# KiCad board Floppy Board v3.1.kicad_pcb (continued)
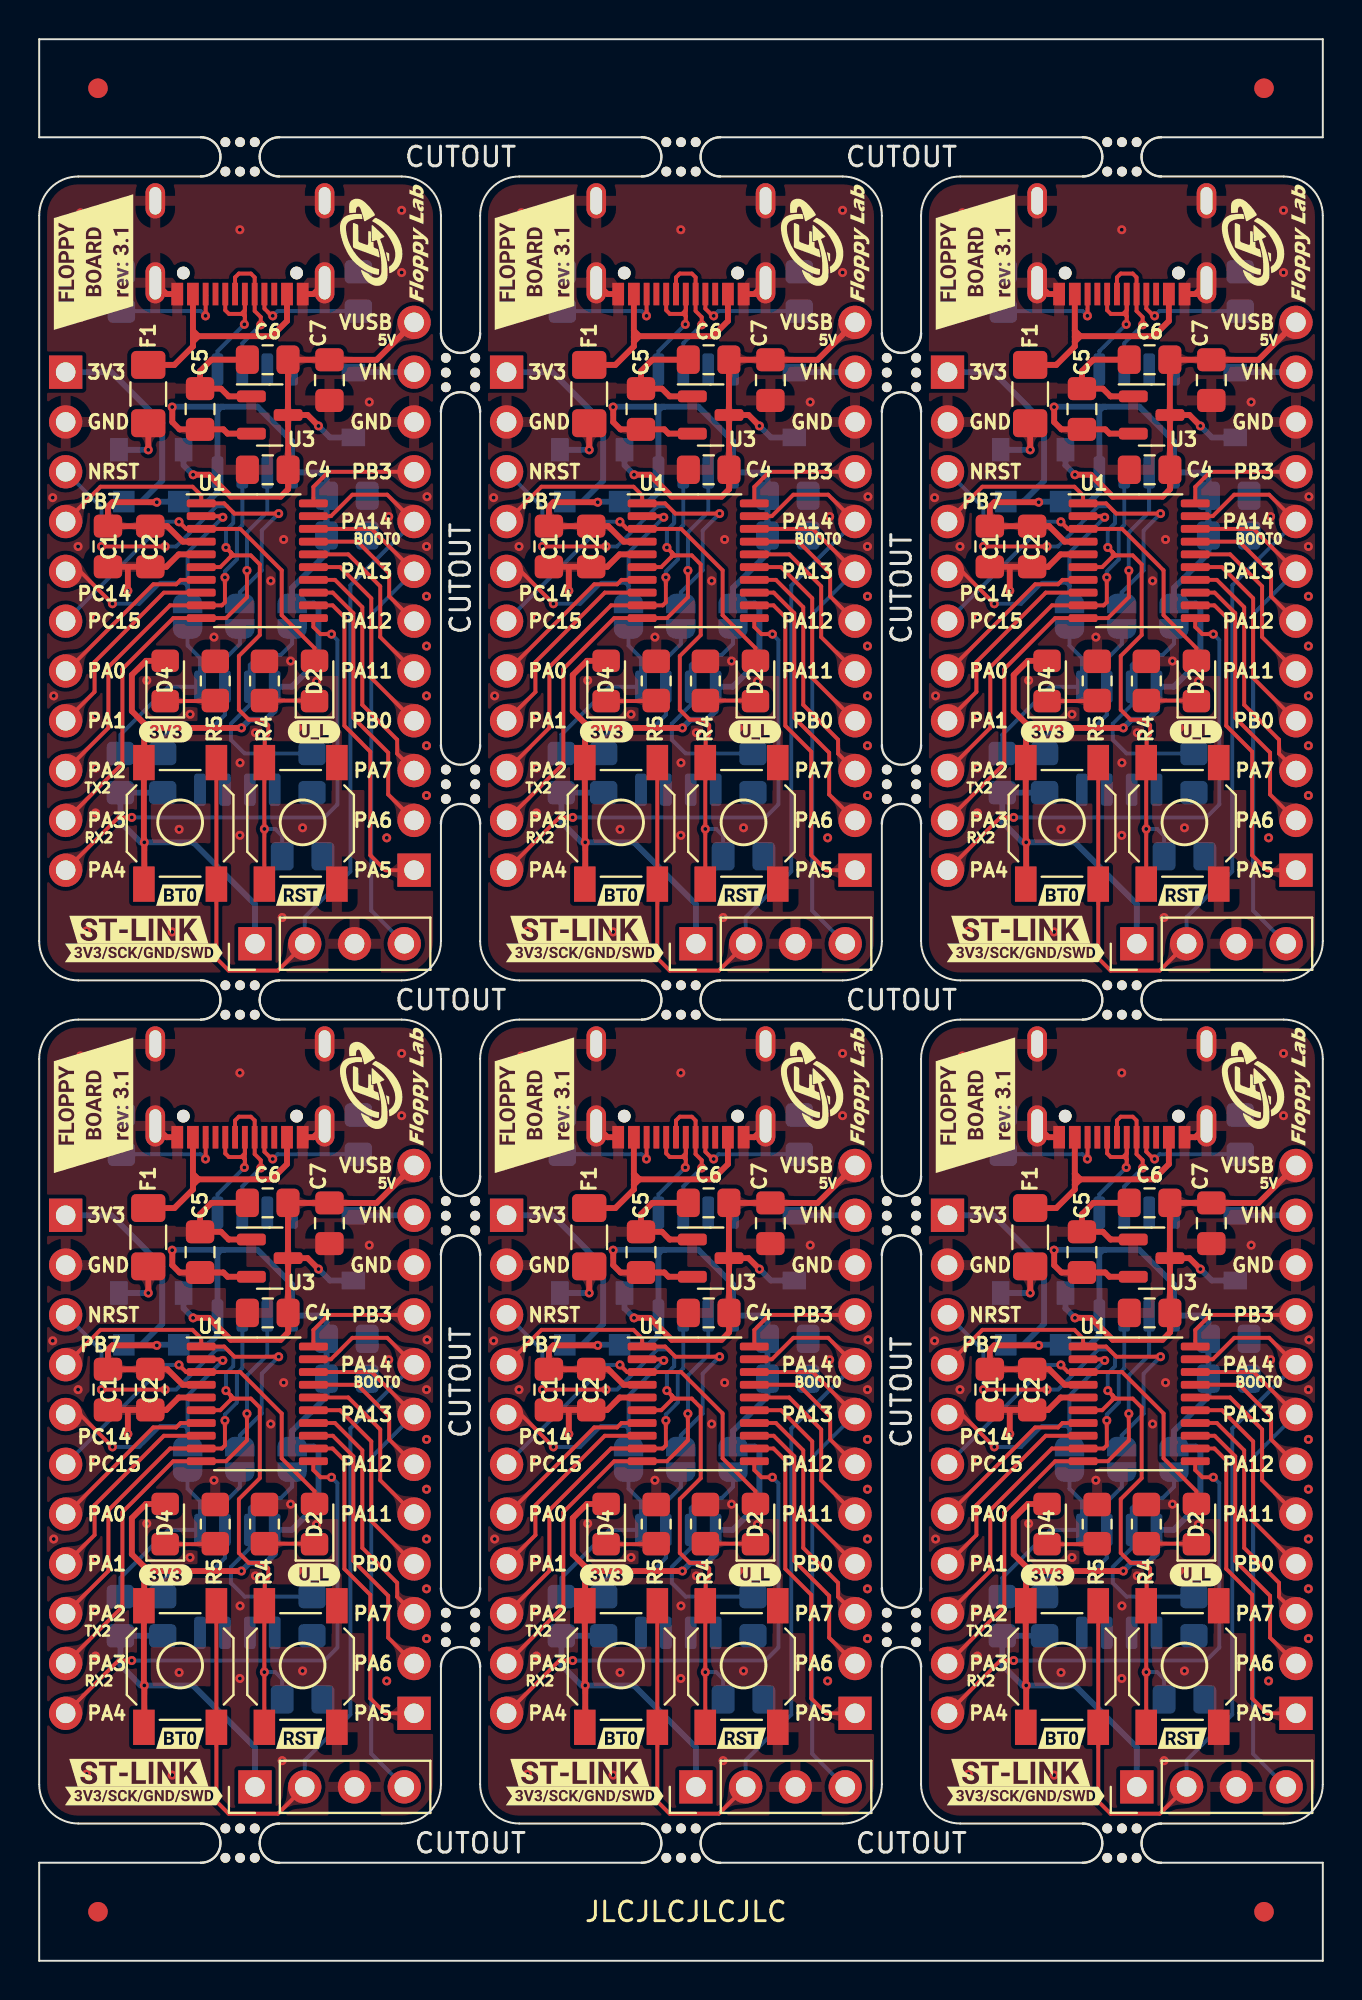
[diagram p0: board, top side]
## Routing (per net, layer and track width the routed paths; a pad name or vN(x,y) marks a point on that pad's centre or on a via; arc(x,y) is an arc through that point) (continued)
/VUSB: length 75.9
  Top w0.3: 52.85,82.82 52.88,82.85 53.13,82.85 ; 52.85,82.82 52.85,82.58 ; 52.85,82.82 52.85,83.14 ; 53.13,39.85 56.87,39.85 57.64,40.63 J2#6.2 ; 53.13,39.85 52.88,39.85 52.85,39.82 ; 53.13,39.85 52.85,40.14 ; 53.13,39.85 53.12,39.85 52.85,39.58 ; F1#2.1 29.4,38.39 30.35,39.33 30.35,39.58 ; 30.63,82.85 30.62,82.85 30.35,82.58 ; 30.63,82.85 30.35,83.14 ; 30.63,82.85 30.38,82.85 30.35,82.82 ; 30.63,82.85 34.37,82.85 35.14,83.63 J2#2.2 ; 52.85,82.58 53.12,82.85 53.13,82.85 ; 52.85,82.58 52.85,82.33 51.9,81.39 F1#3.1 ; 8.13,82.85 7.84,83.14 ; 8.13,82.85 11.87,82.85 12.64,83.63 12.64,85 ; 8.13,82.85 7.88,82.85 7.84,82.82 ; 8.13,82.85 8.12,82.85 7.84,82.58 ; 7.84,83.14 7.84,82.82 ; 7.84,83.14 J2#5.11 ; 30.35,39.82 30.38,39.85 30.63,39.85 ; 30.35,39.82 30.35,39.58 ; 30.35,39.82 30.35,40.14 ; 8.13,39.85 7.88,39.85 7.84,39.82 ; 8.13,39.85 8.12,39.85 7.84,39.58 ; 8.13,39.85 11.87,39.85 12.64,40.63 12.64,42 ; 8.13,39.85 7.84,40.14 ; 53.13,82.85 56.87,82.85 57.64,83.63 J2.2 ; 53.13,82.85 52.85,83.14 ; 7.84,40.14 J2#4.11 ; 7.84,40.14 7.84,39.82 ; F1.1 51.9,38.39 52.85,39.33 52.85,39.58 ; 30.63,39.85 30.62,39.85 30.35,39.58 ; 30.63,39.85 30.35,40.14 ; 30.63,39.85 34.37,39.85 35.14,40.63 J2#3.2 ; 7.84,39.82 7.84,39.58 ; 7.84,82.82 7.84,82.58 ; 7.84,39.58 7.84,39.33 6.9,38.39 F1#4.1 ; 30.35,82.82 30.35,82.58 ; 30.35,82.82 30.35,83.14 ; F1#6.1 29.4,81.39 30.35,82.33 30.35,82.58 ; F1#5.1 6.9,81.39 7.84,82.33 7.84,82.58 ; 30.35,40.14 J2#3.11 ; 52.85,83.14 J2.11 ; 30.35,83.14 J2#2.11 ; 52.85,39.58 52.85,39.82 ; 52.85,40.14 J2#6.11 ; 52.85,40.14 52.85,39.82
/WP: length 72
  Bottom w0.2: JP3#3.1 35.41,67.18 34.82,66.59 33.76,66.59 33.25,66.08 U2#5.7 33.25,64.05 32.28,63.09 32.28,62.27 32.98,61.57 R1#3.1 ; R1#6.1 55.48,18.57 54.78,19.27 54.78,20.09 55.75,21.05 U2#3.7 55.75,23.08 56.26,23.59 57.32,23.59 57.91,24.18 JP3.1 ; R1#5.1 55.48,61.57 54.78,62.27 54.78,63.09 55.75,64.05 U2#2.7 55.75,66.08 56.26,66.59 57.32,66.59 57.91,67.18 JP3#4.1 ; R1.1 10.48,61.57 9.78,62.27 9.78,63.09 10.75,64.05 U2.7 10.75,66.08 11.26,66.59 12.32,66.59 12.91,67.18 JP3#6.1 ; R1#4.1 32.98,18.57 32.28,19.27 32.28,20.09 33.25,21.05 U2#6.7 33.25,23.08 33.76,23.59 34.82,23.59 35.41,24.18 JP3#5.1 ; R1#2.1 10.48,18.57 9.78,19.27 9.78,20.09 10.75,21.05 U2#4.7 10.75,23.08 11.26,23.59 12.32,23.59 12.91,24.18 JP3#2.1
NRST: length 230.5
  Top w0.2: 32.26,28.85 32.44,28.67 ; 32.26,28.85 v1(32.03,29.08) ; 32.26,28.85 32.28,28.83 32.28,28.62 ; 32.44,28.67 32.33,28.67 32.28,28.62 ; 32.44,28.67 33.3,28.67 33.76,28.22 33.76,24.61 32.69,23.54 32.69,20.8 33.2,20.29 33.91,20.29 34.19,20.01 34.19,19.53 34.01,19.36 34.01,18.13 SW1#6.2 33.99,14.72 v1(33.99,14.72) 33.99,14.72 SW1#6.2 ; 54.94,71.67 54.83,71.67 54.78,71.62 ; 54.94,71.67 54.76,71.85 ; 54.94,71.67 55.8,71.67 56.26,71.22 56.26,67.61 55.19,66.54 55.19,63.8 55.7,63.29 56.41,63.29 56.69,63.01 56.69,62.53 56.51,62.36 56.51,61.13 SW1#2.2 56.49,57.72 v1(56.49,57.72) 56.49,57.72 SW1#2.2 ; 32.26,71.85 32.28,71.83 32.28,71.62 ; 32.26,71.85 32.44,71.67 ; 32.26,71.85 v1(32.03,72.08) ; 9.78,71.62 9.78,71.83 9.76,71.85 ; 9.78,71.62 9.83,71.67 9.94,71.67 ; 9.78,71.62 9.24,71.08 U1#6.6 ; 54.94,28.67 54.83,28.67 54.78,28.62 ; 54.94,28.67 55.8,28.67 56.26,28.22 56.26,24.61 55.19,23.54 55.19,20.8 55.7,20.29 56.41,20.29 56.69,20.01 56.69,19.53 56.51,19.36 56.51,18.13 SW1.2 56.49,14.72 v1(56.49,14.72) 56.49,14.72 SW1.2 ; 54.94,28.67 54.76,28.85 ; 9.78,28.62 9.24,28.08 U1#5.6 ; 9.78,28.62 9.83,28.67 9.94,28.67 ; 9.78,28.62 9.78,28.83 9.76,28.85 ; v1(28.93,72.13) v1(25.68,72.13) ; 54.76,28.85 v1(54.53,29.08) ; 54.76,28.85 54.78,28.83 54.78,28.62 ; v1(54.53,72.08) 54.76,71.85 ; 54.76,71.85 54.78,71.83 54.78,71.62 ; U1#3.6 31.74,71.08 32.28,71.62 ; 32.44,71.67 32.33,71.67 32.28,71.62 ; 32.44,71.67 33.3,71.67 33.76,71.22 33.76,67.61 32.69,66.54 32.69,63.8 33.2,63.29 33.91,63.29 34.19,63.01 34.19,62.53 34.01,62.36 34.01,61.13 SW1#4.2 33.99,57.72 v1(33.99,57.72) 33.99,57.72 SW1#4.2 ; v1(51.43,29.13) v1(48.18,29.13) ; 9.94,28.67 10.8,28.67 11.26,28.22 11.26,24.61 10.19,23.54 10.19,20.8 10.7,20.29 11.41,20.29 11.69,20.01 11.69,19.53 11.51,19.36 11.51,18.13 SW1#5.2 11.49,14.72 v1(11.49,14.72) 11.49,14.72 SW1#5.2 ; 9.94,28.67 9.76,28.85 ; 9.94,71.67 10.8,71.67 11.26,71.22 11.26,67.61 10.19,66.54 10.19,63.8 10.7,63.29 11.41,63.29 11.69,63.01 11.69,62.53 11.51,62.36 11.51,61.13 SW1#3.2 11.49,57.72 v1(11.49,57.72) 11.49,57.72 SW1#3.2 ; 9.94,71.67 9.76,71.85 ; v1(51.43,72.13) v1(48.18,72.13) ; 54.78,71.62 54.24,71.08 U1#4.6 ; U1.6 54.24,28.08 54.78,28.62 ; U1#2.6 31.74,28.08 32.28,28.62 ; 9.76,71.85 v1(9.53,72.08) ; 9.76,28.85 v1(9.53,29.08) ; v1(6.43,72.13) v1(3.18,72.13) ; v1(6.43,29.13) v1(3.18,29.13) ; v1(28.93,29.13) v1(25.68,29.13)
  Bottom w0.2: J3#4.3 3.18,74.11 v1(3.18,72.13) ; v1(33.99,57.72) 34.55,57.72 34.9,57.37 C3#3.1 ; v1(51.43,72.13) 51.99,72.13 54.04,74.18 54.59,74.18 54.9,73.87 54.9,73.32 54.53,72.95 v1(54.53,72.08) ; J3#5.3 48.18,74.11 v1(48.18,72.13) ; v1(51.43,29.13) 51.99,29.13 54.04,31.18 54.59,31.18 54.9,30.87 54.9,30.32 54.53,29.95 v1(54.53,29.08) ; v1(33.99,14.72) 34.55,14.72 34.9,14.37 C3#2.1 ; v1(9.53,72.08) 9.53,72.95 9.9,73.32 9.9,73.87 9.59,74.18 9.04,74.18 6.99,72.13 v1(6.43,72.13) ; J3#6.3 25.68,31.11 v1(25.68,29.13) ; v1(9.53,29.08) 9.53,29.95 9.9,30.32 9.9,30.87 9.59,31.18 9.04,31.18 6.99,29.13 v1(6.43,29.13) ; v1(11.49,57.72) 12.05,57.72 12.4,57.37 C3.1 ; v1(3.18,29.13) 3.18,31.11 J3#2.3 ; v1(28.93,72.13) 29.49,72.13 31.54,74.18 32.09,74.18 32.4,73.87 32.4,73.32 32.03,72.95 v1(32.03,72.08) ; C3#4.1 57.4,57.37 57.05,57.72 v1(56.49,57.72) ; v1(32.03,29.08) 32.03,29.95 32.4,30.32 32.4,30.87 32.09,31.18 31.54,31.18 29.49,29.13 v1(28.93,29.13) ; C3#6.1 12.4,14.37 12.05,14.72 v1(11.49,14.72) ; v1(48.18,29.13) 48.18,31.11 J3.3 ; v1(25.68,72.13) 25.68,74.11 J3#3.3 ; v1(56.49,14.72) 57.05,14.72 57.4,14.37 C3#5.1
PA0: length 53
  Top w0.2: J3#4.7 1.4,65.78 5.82,70.2 6.99,70.2 7.22,70.43 U1#6.7 ; J3#2.7 1.4,22.78 5.82,27.2 6.99,27.2 7.22,27.43 U1#5.7 ; U1#2.7 29.72,27.43 29.49,27.2 28.32,27.2 23.9,22.78 J3#6.7 ; J3#3.7 23.9,65.78 28.32,70.2 29.49,70.2 29.72,70.43 U1#3.7 ; U1.7 52.22,27.43 51.99,27.2 50.82,27.2 46.4,22.78 J3.7 ; U1#4.7 52.22,70.43 51.99,70.2 50.82,70.2 46.4,65.78 J3#5.7
PA1: length 63.1
  Top w0.2: U1#2.8 28.86,26.78 25.32,23.24 25.32,21.71 J3#6.8 ; J3.8 47.82,21.71 47.82,23.24 51.36,26.78 U1.8 ; U1#3.8 28.86,69.78 25.32,66.24 25.32,64.71 J3#3.8 ; U1#4.8 51.36,69.78 47.82,66.24 47.82,64.71 J3#5.8 ; U1#5.8 6.36,26.78 2.82,23.24 2.82,21.71 J3#2.8 ; J3#4.8 2.82,64.71 2.82,66.24 6.36,69.78 U1#6.8
PA2/TX2: length 122.9
  Top w0.2: J3#5.9 48.53,62.88 48.53,65.98 51.68,69.13 54.32,69.13 54.48,69.29 v1(54.48,70.56) ; J3#2.9 3.53,19.88 3.53,22.98 6.68,26.13 9.32,26.13 9.48,26.29 v1(9.48,27.56) ; v1(31.98,27.56) 31.98,26.29 31.82,26.13 29.18,26.13 26.03,22.98 26.03,19.88 J3#6.9 ; J3.9 48.53,19.88 48.53,22.98 51.68,26.13 54.32,26.13 54.48,26.29 v1(54.48,27.56) ; v1(31.98,70.56) 31.98,69.29 31.82,69.13 29.18,69.13 26.03,65.98 26.03,62.88 J3#3.9 ; v1(9.48,70.56) 9.48,69.29 9.32,69.13 6.68,69.13 3.53,65.98 3.53,62.88 J3#4.9
  Bottom w0.2: U4#2.7 55.37,73.22 55.09,72.94 55.09,71.47 54.48,70.86 v1(54.48,70.56) ; v1(9.48,27.56) 9.48,27.86 10.09,28.47 10.09,29.94 10.37,30.22 10.37,32.91 ; U4#3.7 55.37,30.22 55.09,29.94 55.09,28.47 54.48,27.86 v1(54.48,27.56) ; U4#4.7 32.87,30.22 32.59,29.94 32.59,28.47 31.98,27.86 v1(31.98,27.56) ; 10.37,75.91 10.37,73.22 10.09,72.94 10.09,71.47 9.48,70.86 v1(9.48,70.56) ; v1(31.98,70.56) 31.98,70.86 32.59,71.47 32.59,72.94 32.87,73.22 U4.7
PA3/RX2: length 141.5
  Top w0.2: J3#6.10 26.75,18.06 26.75,22.88 29.34,25.48 U1#2.10 32.03,25.48 33.1,26.55 v1(33.1,27.9) ; v1(55.6,27.9) 55.6,26.55 54.53,25.48 U1.10 51.84,25.48 49.25,22.88 49.25,18.06 J3.10 ; J3#2.10 4.25,18.06 4.25,22.88 6.84,25.48 U1#5.10 9.53,25.48 10.6,26.55 v1(10.6,27.9) ; J3#3.10 26.75,61.06 26.75,65.88 29.34,68.48 U1#3.10 32.03,68.48 33.1,69.55 v1(33.1,70.9) ; v1(55.6,70.9) 55.6,69.55 54.53,68.48 U1#4.10 51.84,68.48 49.25,65.88 49.25,61.06 J3#5.10 ; J3#4.10 4.25,61.06 4.25,65.88 6.84,68.48 U1#6.10 9.53,68.48 10.6,69.55 v1(10.6,70.9)
  Bottom w0.2: v1(33.1,70.9) 33.1,72.85 34.14,73.88 U4.6 ; U4#4.6 34.14,30.88 33.1,29.85 v1(33.1,27.9) ; U4#6.6 11.64,73.88 10.6,72.85 v1(10.6,70.9) ; U4#5.6 11.64,30.88 10.6,29.85 v1(10.6,27.9) ; U4#3.6 56.64,30.88 55.6,29.85 v1(55.6,27.9) ; U4#2.6 56.64,73.88 55.6,72.85 v1(55.6,70.9)
PA4: length 153.6
  Top w0.2: v1(37.41,24.66) 36.85,24.66 36.49,25.02 U1#2.11 ; J3#2.11 4.04,15.31 v1(4.72,15.31) ; J3#5.11 49.04,58.31 v1(49.72,58.31) ; v1(14.91,67.66) 14.35,67.66 13.99,68.02 U1#6.11 ; J3#4.11 4.04,58.31 v1(4.72,58.31) ; v1(27.22,15.31) 26.54,15.31 J3#6.11 ; J3#3.11 26.54,58.31 v1(27.22,58.31) ; v1(49.72,15.31) 49.04,15.31 J3.11 ; U1#4.11 58.99,68.02 59.35,67.66 v1(59.91,67.66) ; U1#3.11 36.49,68.02 36.85,67.66 v1(37.41,67.66) ; U1.11 58.99,25.02 59.35,24.66 v1(59.91,24.66) ; U1#5.11 13.99,25.02 14.35,24.66 v1(14.91,24.66)
  Bottom w0.2: v1(37.41,67.66) 37.72,67.35 37.72,58.97 37.06,58.31 v1(27.22,58.31) ; v1(14.91,24.66) 15.22,24.35 15.22,15.97 14.56,15.31 v1(4.72,15.31) ; v1(37.41,24.66) 37.72,24.35 37.72,15.97 37.06,15.31 v1(27.22,15.31) ; v1(4.72,58.31) 14.56,58.31 15.22,58.97 15.22,67.35 v1(14.91,67.66) ; v1(49.72,58.31) 59.56,58.31 60.22,58.97 60.22,67.35 v1(59.91,67.66) ; v1(49.72,15.31) 59.56,15.31 60.22,15.97 60.22,24.35 v1(59.91,24.66)
PA5: length 102.4
  Top w0.2: J4#5.1 62.66,55.62 61.89,56.38 61.89,61.67 60.57,62.99 60.57,68.52 59.97,69.13 58.99,69.13 ; 36.49,69.13 37.47,69.13 38.07,68.52 38.07,62.99 39.39,61.67 39.39,56.38 40.16,55.62 J4#3.1 ; 13.99,69.13 14.97,69.13 15.57,68.52 15.57,62.99 16.89,61.67 16.89,56.38 17.66,55.62 J4.1 ; 36.49,26.13 37.47,26.13 38.07,25.52 38.07,19.99 39.39,18.67 39.39,13.38 40.16,12.62 J4#6.1 ; 13.99,26.13 14.97,26.13 15.57,25.52 15.57,19.99 16.89,18.67 16.89,13.38 17.66,12.62 J4#2.1 ; 58.99,26.13 59.97,26.13 60.57,25.52 60.57,19.99 61.89,18.67 61.89,13.38 62.66,12.62 J4#4.1
PA6: length 85.9
  Top w0.2: J4#3.2 40.31,59.48 40.31,61.61 38.53,63.39 38.53,68.73 37.48,69.78 U1#3.13 ; J4#4.2 62.81,16.48 62.81,18.61 61.03,20.39 61.03,25.73 59.98,26.78 U1.13 ; J4#6.2 40.31,16.48 40.31,18.61 38.53,20.39 38.53,25.73 37.48,26.78 U1#2.13 ; J4.2 17.81,59.48 17.81,61.61 16.03,63.39 16.03,68.73 14.98,69.78 U1#6.13 ; J4#2.2 17.81,16.48 17.81,18.61 16.03,20.39 16.03,25.73 14.98,26.78 U1#5.13 ; J4#5.2 62.81,59.48 62.81,61.61 61.03,63.39 61.03,68.73 59.98,69.78 U1#4.13
PA7: length 75
  Top w0.2: U1#6.14 15.09,70.43 16.49,69.03 16.49,64.05 18.27,62.27 18.27,61.56 J4.3 ; J4#6.3 40.77,18.56 40.77,19.27 38.99,21.05 38.99,26.03 37.59,27.43 U1#2.14 ; J4#2.3 18.27,18.56 18.27,19.27 16.49,21.05 16.49,26.03 15.09,27.43 U1#5.14 ; J4#3.3 40.77,61.56 40.77,62.27 38.99,64.05 38.99,69.03 37.59,70.43 U1#3.14 ; U1#4.14 60.09,70.43 61.49,69.03 61.49,64.05 63.27,62.27 63.27,61.56 J4#5.3 ; J4#4.3 63.27,18.56 63.27,19.27 61.49,21.05 61.49,26.03 60.09,27.43 U1.14
PA11: length 54.7
  Top w0.2: J4#3.5 39.9,67.51 39.9,70.1 38.27,71.73 U1#3.16 ; J4#5.5 62.4,67.51 62.4,70.1 60.77,71.73 U1#4.16 ; J4#4.5 62.4,24.51 62.4,27.1 60.77,28.73 U1.16 ; J4#2.5 17.4,24.51 17.4,27.1 15.77,28.73 U1#5.16 ; U1#2.16 38.27,28.73 39.9,27.1 39.9,24.51 J4#6.5 ; U1#6.16 15.77,71.73 17.4,70.1 17.4,67.51 J4.5
PA12: length 45
  Top w0.2: J4#4.6 62.86,26.59 62.86,27.76 61.24,29.38 U1.17 ; J4#5.6 62.86,69.59 62.86,70.76 61.24,72.38 U1#4.17 ; U1#5.17 16.24,29.38 17.86,27.76 17.86,26.59 J4#2.6 ; U1#3.17 38.74,72.38 40.36,70.76 40.36,69.59 J4#3.6 ; J4#6.6 40.36,26.59 40.36,27.76 38.74,29.38 U1#2.17 ; J4.6 17.86,69.59 17.86,70.76 16.24,72.38 U1#6.17
PA13/SWDIO: length 159.8
  Top w0.2: J4#6.7 39.46,30.03 U1#2.18 ; J4#3.7 39.46,73.03 U1#3.18 ; J4.7 16.96,73.03 U1#6.18 ; U1#5.18 16.96,30.03 J4#2.7 ; J4#4.7 61.96,30.03 U1.18 ; U1#4.18 61.96,73.03 J4#5.7
  Bottom w0.2: J4#4.7 61.95,25.68 61.95,10.55 J1#4.4 ; J4#2.7 16.95,25.68 16.95,10.55 J1#3.4 ; J4#5.7 61.95,68.68 61.95,53.55 J1#6.4 ; J1#2.4 39.45,53.55 39.45,68.68 J4#3.7 ; J4#6.7 39.45,25.68 39.45,10.55 J1.4 ; J4.7 16.95,68.68 16.95,53.55 J1#5.4
PA14/SWCLK/BOOT0: length 269
  Top w0.2: J1.2 36.05,8.87 34.68,7.5 32.17,7.5 31.54,8.13 31.54,11.42 ; U1#6.19 14.89,73.68 15.98,74.77 17.76,74.77 J4.8 ; SW2.2 SW2.2 ; J1#2.2 36.05,51.87 34.68,50.5 32.17,50.5 31.54,51.13 31.54,54.42 ; U1#5.19 14.89,30.68 15.98,31.77 17.76,31.77 J4#2.8 ; 54.04,54.42 54.04,51.13 54.67,50.5 57.18,50.5 58.55,51.87 J1#6.2 ; U1#2.19 37.39,30.68 38.48,31.77 40.26,31.77 J4#6.8 ; SW2#2.2 SW2#2.2 ; J4#4.8 62.76,31.77 60.98,31.77 59.89,30.68 U1.19 ; SW2#6.2 SW2#6.2 ; J4#5.8 62.76,74.77 60.98,74.77 59.89,73.68 U1#4.19 ; J1#5.2 13.55,51.87 12.18,50.5 9.67,50.5 9.04,51.13 9.04,54.42 ; SW2#4.2 SW2#4.2 ; 54.04,11.42 54.04,8.13 54.67,7.5 57.18,7.5 58.55,8.87 J1#4.2 ; J1#3.2 13.55,8.87 12.18,7.5 9.67,7.5 9.04,8.13 9.04,11.42 ; SW2#5.2 SW2#5.2 ; J4#3.8 40.26,74.77 38.48,74.77 37.39,73.68 U1#3.19 ; SW2#3.2 SW2#3.2
  Bottom w0.2: J1#6.2 58.55,53.22 60.88,55.55 60.88,70.15 J4#5.8 ; J1.2 36.05,10.22 38.38,12.55 38.38,27.15 J4#6.8 ; J1#3.2 13.55,10.22 15.88,12.55 15.88,27.15 J4#2.8 ; J4.8 15.88,70.15 15.88,55.55 13.55,53.22 J1#5.2 ; J1#2.2 36.05,53.22 38.38,55.55 38.38,70.15 J4#3.8 ; J4#4.8 60.88,27.15 60.88,12.55 58.55,10.22 J1#4.2
PB0: length 64.6
  Top w0.2: J4#2.4 16.95,22.42 16.95,26.49 15.36,28.08 U1#5.15 ; U1.15 60.36,28.08 61.95,26.49 61.95,22.42 J4#4.4 ; J4.4 16.95,65.42 16.95,69.49 15.36,71.08 U1#6.15 ; U1#3.15 37.86,71.08 39.45,69.49 39.45,65.42 J4#3.4 ; U1#4.15 60.36,71.08 61.95,69.49 61.95,65.42 J4#5.4 ; U1#2.15 37.86,28.08 39.45,26.49 39.45,22.42 J4#6.4
PB3: length 37.8
  Top w0.2: 36.49,74.33 36.49,75.17 37.26,75.94 J4#3.9 ; 58.99,74.33 58.99,75.17 59.76,75.94 J4#5.9 ; J4#2.9 14.76,32.94 13.99,32.17 13.99,31.33 ; 36.49,31.33 36.49,32.17 37.26,32.94 J4#6.9 ; 13.99,74.33 13.99,75.17 14.76,75.94 J4.9 ; 58.99,31.33 58.99,32.17 59.76,32.94 J4#4.9
PB7: length 106.9
  Top w0.2: v1(57.22,73.81) 54.96,73.81 54.44,74.33 53.27,74.33 53.27,74.74 52.83,75.18 48.13,75.18 J3#5.4 ; v1(34.72,73.81) 32.46,73.81 31.94,74.33 30.77,74.33 30.77,74.74 30.33,75.18 25.63,75.18 J3#3.4 ; J3.4 48.13,32.18 52.83,32.18 53.27,31.74 53.27,31.33 54.44,31.33 54.96,30.81 v1(57.22,30.81) ; J3#6.4 25.63,32.18 30.33,32.18 30.77,31.74 30.77,31.33 31.94,31.33 32.46,30.81 v1(34.72,30.81) ; J3#2.4 3.13,32.18 7.83,32.18 8.27,31.74 8.27,31.33 9.44,31.33 9.96,30.81 v1(12.22,30.81) ; v1(12.22,73.81) 9.96,73.81 9.44,74.33 8.27,74.33 8.27,74.74 7.83,75.18 3.13,75.18 J3#4.4
  Bottom w0.2: JP2#2.2 32.74,69.79 33.86,70.91 33.86,72.94 v1(34.72,73.81) ; v1(12.22,30.81) 11.36,29.94 11.36,27.91 10.24,26.79 JP2#3.2 ; JP2#6.2 55.24,26.79 56.36,27.91 56.36,29.94 v1(57.22,30.81) ; JP2#4.2 10.24,69.79 11.36,70.91 11.36,72.94 v1(12.22,73.81) ; JP2#5.2 32.74,26.79 33.86,27.91 33.86,29.94 v1(34.72,30.81) ; JP2.2 55.24,69.79 56.36,70.91 56.36,72.94 v1(57.22,73.81)
PC14: length 91.5
  Top w0.2: J3#2.5 2.09,27.86 v1(3.74,26.21) ; v1(54.37,30.62) 54.31,30.68 U1.2 ; J3#4.5 2.09,70.86 v1(3.74,69.21) ; v1(26.24,69.21) 24.59,70.86 J3#3.5 ; U1#6.2 9.31,73.68 v1(9.37,73.62) ; v1(9.37,30.62) 9.31,30.68 U1#5.2 ; J3#5.5 47.09,70.86 v1(48.74,69.21) ; v1(48.74,26.21) 47.09,27.86 J3.5 ; U1#4.2 54.31,73.68 v1(54.37,73.62) ; J3#6.5 24.59,27.86 v1(26.24,26.21) ; U1#3.2 31.81,73.68 v1(31.87,73.62) ; U1#2.2 31.81,30.68 v1(31.87,30.62)
  Bottom w0.2: 7.57,27.12 JP1#4.2 7.57,28.82 v1(9.37,30.62) ; 7.57,27.12 7.57,27.28 ; 7.57,27.12 7.42,27.28 ; 30.07,27.12 30.07,27.28 ; 30.07,27.12 JP1#3.2 30.07,28.82 v1(31.87,30.62) ; 30.07,27.12 29.92,27.28 ; 30.07,27.28 30.07,27.43 29.92,27.28 ; 30.07,27.28 29.92,27.28 ; v1(9.37,73.62) 7.57,71.82 JP1#2.2 7.57,70.12 ; v1(48.74,69.21) 50.11,69.21 51.18,70.28 52.42,70.28 ; v1(48.74,26.21) 50.11,26.21 51.18,27.28 52.42,27.28 ; 29.92,70.28 30.07,70.43 30.07,70.28 ; 29.92,70.28 30.07,70.28 ; 29.92,70.28 28.68,70.28 27.61,69.21 v1(26.24,69.21) ; 29.92,70.28 30.07,70.12 ; v1(3.74,69.21) 5.11,69.21 6.18,70.28 7.42,70.28 ; 7.42,27.28 7.57,27.28 ; 7.42,27.28 6.18,27.28 5.11,26.21 v1(3.74,26.21) ; 7.42,27.28 7.57,27.43 7.57,27.28 ; 29.92,27.28 28.68,27.28 27.61,26.21 v1(26.24,26.21) ; 7.42,70.28 7.57,70.12 ; 7.42,70.28 7.57,70.28 ; 7.42,70.28 7.57,70.43 7.57,70.28 ; 52.57,27.12 JP1.2 52.57,28.82 v1(54.37,30.62) ; 52.57,27.12 52.42,27.28 ; 52.57,27.12 52.57,27.28 ; 52.42,70.28 52.57,70.43 52.57,70.28 ; 52.42,70.28 52.57,70.12 ; 52.42,70.28 52.57,70.28 ; 7.57,70.12 7.57,70.28 ; 52.57,70.12 52.57,70.28 ; 52.57,70.12 JP1#5.2 52.57,71.82 v1(54.37,73.62) ; 30.07,70.28 30.07,70.12 ; 30.07,70.12 JP1#6.2 30.07,71.82 v1(31.87,73.62) ; 52.42,27.28 52.57,27.43 52.57,27.28 ; 52.42,27.28 52.57,27.28
PC15: length 116.8
  Top w0.2: D2#4.2 14.05,66.95 12.37,68.62 12.37,70.91 10.26,73.03 U1#6.3 7.5,73.03 v1(7.13,73.39) ; D2#2.2 36.55,23.95 34.87,25.62 34.87,27.91 32.76,30.03 U1#2.3 30,30.03 v1(29.63,30.39) ; v1(29.63,73.39) 30,73.03 U1#3.3 32.76,73.03 34.87,70.91 34.87,68.62 36.55,66.95 D2#3.2 ; v1(7.13,30.39) 7.5,30.03 U1#5.3 10.26,30.03 12.37,27.91 12.37,25.62 14.05,23.95 D2#5.2 ; v1(52.13,73.39) 52.5,73.03 U1#4.3 55.26,73.03 57.37,70.91 57.37,68.62 59.05,66.95 D2.2 ; v1(52.13,30.39) 52.5,30.03 U1.3 55.26,30.03 57.37,27.91 57.37,25.62 59.05,23.95 D2#6.2
  Bottom w0.2: v1(7.13,30.39) 6.42,30.39 J3#2.6 ; v1(29.63,30.39) 28.92,30.39 J3#6.6 ; J3#3.6 28.92,73.39 v1(29.63,73.39) ; v1(7.13,73.39) 6.42,73.39 J3#4.6 ; v1(52.13,30.39) 51.42,30.39 J3.6 ; J3#5.6 51.42,73.39 v1(52.13,73.39)
Net-(D2-Pad1): length 15.4
  Top w0.2: R4#2.1 59.02,21.27 D2#6.1 ; R4.1 59.02,64.27 D2.1 ; R4#3.1 36.52,64.27 D2#3.1 ; D2#4.1 14.03,64.27 R4#6.1 ; D2#5.1 14.03,21.27 R4#5.1 ; D2#2.1 36.52,21.27 R4#4.1
Net-(D4-Pad1): length 15.4
  Top w0.2: D4#5.1 8.96,21.25 R5.2 ; R5#6.2 31.46,64.25 D4.1 ; R5#5.2 53.96,21.25 D4#4.1 ; R5#3.2 31.46,21.25 D4#2.1 ; D4#3.1 8.96,64.25 R5#4.2 ; D4#6.1 53.96,64.25 R5#2.2
Net-(J2-Pad4): length 34.7
  Top w0.2: J2#6.4 56.49,41.26 56.87,40.89 v1(56.92,40.89) ; J2#3.4 33.99,41.26 34.37,40.89 v1(34.42,40.89) ; J2#5.4 11.5,84.26 11.87,83.89 v1(11.92,83.89) ; v1(34.42,83.89) 34.37,83.89 33.99,84.26 J2#2.4 ; v1(11.92,40.89) 11.87,40.89 11.5,41.26 J2#4.4 ; v1(56.92,83.89) 56.87,83.89 56.49,84.26 J2.4
  Bottom w0.2: R7.1 57.16,41.13 v1(56.92,40.89) ; R7#5.1 57.16,84.13 v1(56.92,83.89) ; v1(11.92,83.89) 12.16,84.13 R7#2.1 ; R7#3.1 34.66,41.13 v1(34.42,40.89) ; v1(11.92,40.89) 12.16,41.13 R7#4.1 ; R7#6.1 34.66,84.13 v1(34.42,83.89)
Net-(J2-Pad10): length 33.1
  Top w0.2: J2#2.10 30.99,83.9 v1(30.99,83.89) ; J2#4.10 8.5,40.9 v1(8.49,40.89) ; J2#5.10 8.5,83.9 v1(8.49,83.89) ; v1(53.49,40.89) 53.49,40.9 J2#6.10 ; J2.10 53.49,83.9 v1(53.49,83.89) ; v1(30.99,40.89) 30.99,40.9 J2#3.10
  Bottom w0.2: R6#4.2 8.24,84.13 v1(8.49,83.89) ; v1(30.99,83.89) 30.74,84.13 R6#3.2 ; R6#2.2 53.24,84.13 v1(53.49,83.89) ; v1(30.99,40.89) 30.74,41.13 R6.2 ; v1(53.49,40.89) 53.24,41.13 R6#5.2 ; v1(8.49,40.89) 8.24,41.13 R6#6.2
Net-(JP1-Pad1): length 55.5
  Bottom w0.2: JP1.1 52.57,24.08 53.21,23.44 U2#3.5 51.59,21.98 49.14,19.53 R2#4.1 ; JP1#2.1 7.57,67.08 8.21,66.44 U2.5 6.59,64.98 4.14,62.53 R2.1 ; JP1#5.1 52.57,67.08 53.21,66.44 U2#2.5 51.59,64.98 49.14,62.53 R2#3.1 ; R2#2.1 4.14,19.53 6.59,21.98 U2#4.5 8.21,23.44 7.57,24.08 JP1#4.1 ; JP1#6.1 30.07,67.08 30.71,66.44 U2#5.5 29.09,64.98 26.64,62.53 R2#5.1 ; JP1#3.1 30.07,24.08 30.71,23.44 U2#6.5 29.09,21.98 26.64,19.53 R2#6.1
Net-(JP2-Pad1): length 55
  Bottom w0.2: R3.2 28.8,19.4 29.29,19.88 31.32,19.88 31.98,20.54 U2#6.6 31.98,23.39 32.74,24.15 JP2#5.1 ; R3#6.2 51.3,19.4 51.79,19.88 53.82,19.88 54.48,20.54 U2#3.6 54.48,23.39 55.24,24.15 JP2#6.1 ; R3#2.2 6.3,19.4 6.79,19.88 8.82,19.88 9.48,20.54 U2#4.6 9.48,23.39 10.24,24.15 JP2#3.1 ; R3#4.2 51.3,62.4 51.79,62.88 53.82,62.88 54.48,63.54 U2#2.6 54.48,66.39 55.24,67.15 JP2.1 ; R3#5.2 28.8,62.4 29.29,62.88 31.32,62.88 31.98,63.54 U2#5.6 31.98,66.39 32.74,67.15 JP2#2.1 ; JP2#4.1 10.24,67.15 9.48,66.39 U2.6 9.48,63.54 8.82,62.88 6.79,62.88 6.3,62.4 R3#3.2

## Copper pours and planes (outline as drawn; the poured copper is in the pictures)
+3V3 on Top: 54.38,78.25 54.24,78.26 54.13,78.27 54.03,78.3 53.95,78.33 53.88,78.37 53.81,78.42 53.66,78.52 53.57,78.58 53.46,78.63 52.91,78.1 53.46,77.57 53.57,77.63 53.66,77.69 53.81,77.79 53.88,77.83 53.95,77.87 54.03,77.91 54.13,77.93 54.24,77.95 54.38,77.95
+3V3 on Top: 29.36,73.05 29.27,73.14 29.18,73.21 29.1,73.26 29.03,73.3 28.89,73.37 28.82,73.4 28.74,73.45 28.67,73.51 28.58,73.58 27.87,73.17 28.42,72.64 28.51,72.69 28.59,72.74 28.73,72.85 28.8,72.89 28.86,72.93 28.93,72.94 29,72.94 29.07,72.91 29.15,72.84
+3V3 on Top: 49.5,30.02 49.64,30.01 49.75,30 49.84,29.97 49.92,29.94 50,29.9 50.07,29.85 50.22,29.75 50.31,29.69 50.41,29.64 50.96,30.17 50.41,30.7 50.31,30.64 50.22,30.59 50.07,30.48 50,30.44 49.92,30.4 49.84,30.36 49.75,30.34 49.64,30.32 49.5,30.32
+3V3 on Top: 29.46,35.09 29.56,35.01 29.65,34.95 29.73,34.91 29.81,34.89 29.97,34.86 30.05,34.84 30.13,34.81 30.21,34.76 30.29,34.69 31,35.1 30.45,35.63 30.36,35.58 30.27,35.51 30.2,35.43 30.12,35.36 30.05,35.3 29.98,35.24 29.91,35.21 29.84,35.21 29.76,35.23 29.68,35.3
+3V3 on Top: 4.68,30.32 4.54,30.32 4.43,30.34 4.33,30.36 4.25,30.4 4.18,30.44 4.11,30.48 3.96,30.59 3.87,30.64 3.77,30.7 3.22,30.17 3.77,29.64 3.87,29.69 3.96,29.75 4.11,29.85 4.18,29.9 4.25,29.94 4.33,29.97 4.43,30 4.54,30.01 4.68,30.02
+3V3 on Top: 4.5,30.02 4.64,30.01 4.75,30 4.84,29.97 4.92,29.94 5,29.9 5.07,29.85 5.22,29.75 5.31,29.69 5.41,29.64 5.96,30.17 5.41,30.7 5.31,30.64 5.22,30.59 5.07,30.48 5,30.44 4.92,30.4 4.84,30.36 4.75,30.34 4.64,30.32 4.5,30.32
+3V3 on Top: 50.21,19.21 50.2,19.08 50.19,18.98 50.16,18.89 50.13,18.81 50.1,18.74 50.06,18.68 49.96,18.54 49.91,18.46 49.85,18.36 50.34,17.83 50.84,18.34 50.79,18.44 50.74,18.52 50.65,18.67 50.61,18.74 50.58,18.81 50.55,18.88 50.52,18.97 50.51,19.08 50.51,19.21
+3V3 on Top: 27.99,17.02 28,17.14 28.01,17.25 28.03,17.34 28.06,17.41 28.1,17.48 28.14,17.55 28.23,17.69 28.29,17.77 28.34,17.87 27.84,18.38 27.35,17.87 27.4,17.77 27.45,17.69 27.54,17.55 27.58,17.48 27.62,17.41 27.65,17.34 27.67,17.25 27.69,17.14 27.69,17.02
+3V3 on Top: 49.68,30.32 49.54,30.32 49.43,30.34 49.33,30.36 49.25,30.4 49.18,30.44 49.11,30.48 48.96,30.59 48.87,30.64 48.77,30.7 48.22,30.17 48.77,29.64 48.87,29.69 48.96,29.75 49.11,29.85 49.18,29.9 49.25,29.94 49.33,29.97 49.43,30 49.54,30.01 49.68,30.02
+3V3 on Top: 50.21,56.01 50.21,55.88 50.19,55.78 50.17,55.69 50.14,55.61 50.1,55.55 50.06,55.48 49.96,55.34 49.91,55.26 49.86,55.17 50.33,54.63 50.85,55.13 50.8,55.23 50.75,55.32 50.66,55.46 50.62,55.53 50.58,55.6 50.55,55.68 50.53,55.77 50.52,55.88 50.51,56.01
+3V3 on Top: 48.53,74.4 48.45,74.3 48.39,74.21 48.35,74.13 48.32,74.05 48.28,73.9 48.25,73.82 48.22,73.74 48.17,73.67 48.09,73.58 48.51,72.87 49.04,73.42 48.98,73.51 48.92,73.6 48.85,73.67 48.78,73.75 48.73,73.82 48.68,73.88 48.65,73.95 48.65,74.03 48.68,74.1 48.74,74.19
+3V3 on Top: 5.49,60.02 5.5,60.14 5.51,60.25 5.53,60.34 5.56,60.41 5.6,60.48 5.64,60.55 5.73,60.69 5.79,60.77 5.84,60.87 5.34,61.38 4.85,60.87 4.9,60.77 4.95,60.69 5.04,60.55 5.08,60.48 5.12,60.41 5.15,60.34 5.17,60.25 5.19,60.14 5.19,60.02
+3V3 on Top: 9.38,35.25 9.24,35.26 9.13,35.27 9.03,35.3 8.95,35.33 8.88,35.37 8.81,35.42 8.66,35.52 8.57,35.58 8.46,35.63 7.91,35.1 8.46,34.57 8.57,34.63 8.66,34.69 8.81,34.79 8.88,34.83 8.95,34.87 9.03,34.91 9.13,34.93 9.24,34.95 9.38,34.95
+3V3 on Top: 51.86,73.05 51.77,73.14 51.68,73.21 51.6,73.26 51.53,73.3 51.39,73.37 51.32,73.4 51.24,73.45 51.17,73.51 51.08,73.58 50.37,73.17 50.92,72.64 51.01,72.69 51.09,72.74 51.23,72.85 51.3,72.89 51.36,72.93 51.43,72.94 51.5,72.94 51.57,72.91 51.65,72.84
+3V3 on Top: 27.71,19.21 27.7,19.08 27.69,18.98 27.66,18.89 27.63,18.81 27.6,18.74 27.56,18.68 27.46,18.54 27.41,18.46 27.35,18.36 27.84,17.83 28.34,18.34 28.29,18.44 28.24,18.52 28.15,18.67 28.11,18.74 28.08,18.81 28.05,18.88 28.02,18.97 28.01,19.08 28.01,19.21
+3V3 on Top: 6.86,73.05 6.77,73.14 6.68,73.21 6.6,73.26 6.53,73.3 6.39,73.37 6.32,73.4 6.24,73.45 6.17,73.51 6.08,73.58 5.37,73.17 5.92,72.64 6.01,72.69 6.09,72.74 6.23,72.85 6.3,72.89 6.36,72.93 6.43,72.94 6.5,72.94 6.57,72.91 6.65,72.84
+3V3 on Top: 27.71,56.01 27.71,55.88 27.69,55.78 27.67,55.69 27.64,55.61 27.6,55.55 27.56,55.48 27.46,55.34 27.41,55.26 27.36,55.17 27.83,54.63 28.35,55.13 28.3,55.23 28.25,55.32 28.16,55.46 28.12,55.53 28.08,55.6 28.05,55.68 28.03,55.77 28.02,55.88 28.01,56.01
+3V3 on Top: 29.46,78.09 29.56,78.01 29.65,77.95 29.73,77.91 29.81,77.89 29.97,77.86 30.05,77.84 30.13,77.81 30.21,77.76 30.29,77.69 31,78.1 30.45,78.63 30.36,78.58 30.27,78.51 30.2,78.43 30.12,78.36 30.05,78.3 29.98,78.24 29.91,78.21 29.84,78.21 29.76,78.23 29.68,78.3
+3V3 on Top: 27.18,73.32 27.04,73.32 26.93,73.34 26.83,73.36 26.75,73.4 26.68,73.44 26.61,73.48 26.46,73.59 26.37,73.64 26.27,73.7 25.72,73.17 26.27,72.64 26.37,72.69 26.46,72.75 26.61,72.85 26.68,72.9 26.75,72.94 26.83,72.97 26.93,73 27.04,73.01 27.18,73.02